# Altium PCB PCB1.PcbDoc (continued)
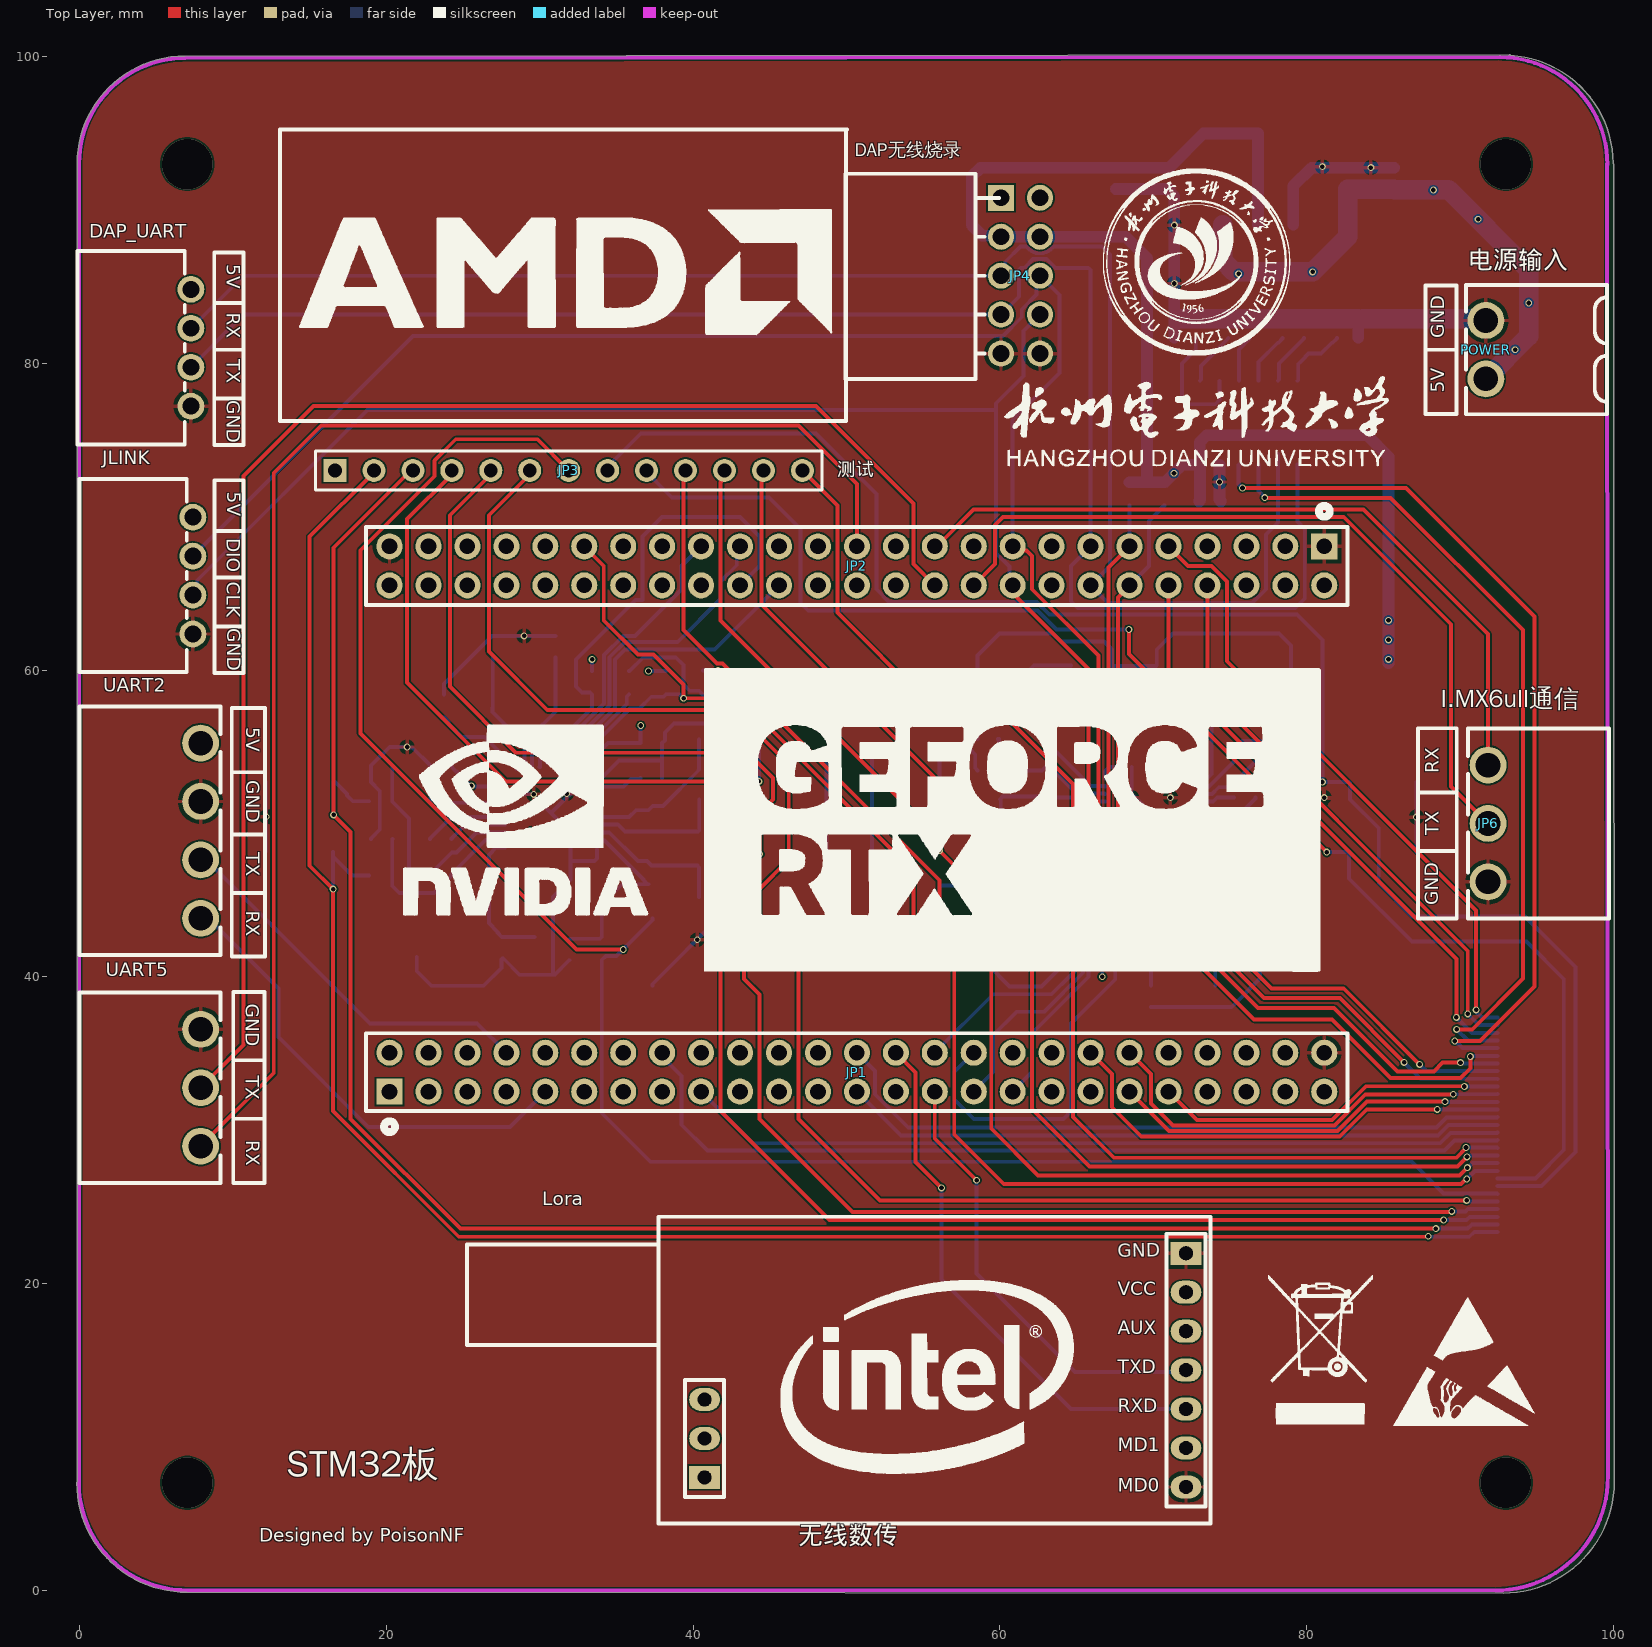
[diagram p0: Top Layer view]
## Footprints (in the part's own frame and the unit in brackets; to place one, negate y for a bottom-side part, rotate by r counter-clockwise, add the part's x,y. Pads: shape width x height; smd on the part's side, far side on the other; paste and mask are expansions set on the pad)
a28_t2g4a27d1a [mm]
  rect 2x1.5 hole 0.9 slot 0.905 at 0 deg: 1(1.6,2.38) 8(33,17)
  oval 2x1.5 hole 0.9 slot 0.905 at 0 deg: 2(1.6,4.92) 3(1.6,7.46) 4(1.6,10) 5(1.6,12.54) 6(1.6,15.08) 7(1.6,17.62) 9(33,14.46) 10(33,11.92)
  silkscreen extent 0,0 48.5,20
C0603 [mm]
  rect 0.8x0.9 smd: 1(-0.7,0) 2(0.7,0)
  silkscreen extent -1.41,-0.71 1.39,0.72
CONN-TH_2P-P3.81_KF2EDGR-3.81-2P [mm]
  round 2.4 hole 1.6: 1(-1.905,0) 2(1.905,0)
  silkscreen extent -4.21,-7.9 4.21,1.3
CONN-TH_3P-P3.81_KF2EDGR-3.81-3P [mm]
  round 2.4 hole 1.6: 1(-3.81,0) 2(0,0) 3(3.81,0)
  silkscreen extent -6.2,-7.9 6.2,1.3
CONN-TH_4P-P3.81_KF2EDGR-3.81-4P [mm]
  round 2.4 hole 1.6: 1(-5.715,0) 2(-1.905,0) 3(1.905,0) 4(5.715,0)
  silkscreen extent -8.1,-7.9 8.1,1.3
CONN-TH_XH-4AW [mm]
  round 1.75 hole 1.1 paste+0 mask+0.05: 1(-3.81,0) 2(-1.27,0) 3(1.27,0) 4(3.81,0)
  silkscreen extent -6.3,-7.4 6.3,-0.4
FPC-SMD_30P-P0.50_XUNPU_FPC-05F-30PH20 [mm]
  rect 0.3x1.25 smd paste+0 mask+0.05: 1(-7.25,1.288) 2(-6.75,1.288) 3(-6.25,1.288) 4(-5.75,1.288) 5(-5.25,1.288) 6(-4.75,1.288) 7(-4.25,1.288) 8(-3.75,1.288) 9(-3.25,1.288) 10(-2.75,1.288) 11(-2.25,1.288) 12(-1.75,1.288) 13(-1.25,1.288) 14(-0.75,1.288) 15(-0.25,1.288) 16(0.25,1.288) 17(0.75,1.288) 18(1.25,1.288) 19(1.75,1.288) 20(2.25,1.288) 21(2.75,1.288) 22(3.25,1.288) 23(3.75,1.288) 24(4.25,1.288) 25(4.75,1.288) 26(5.25,1.288) 27(5.75,1.288) 28(6.25,1.288) 29(6.75,1.288) 30(7.25,1.288)
  rect 2x2.5 smd paste+0 mask+0.05: 31(8.94,-1.288) 32(-8.94,-1.288)
  silkscreen extent -9.7,-4.1 9.7,1.78
HDR1X13 [mm] "Connector; Header; 13 Position"
  rect 1.5x1.5 hole 0.9: 1(0,0)
  round 1.5 hole 0.9: 2(2.54,0) 3(5.08,0) 4(7.62,0) 5(10.16,0) 6(12.7,0) 7(15.24,0) 8(17.78,0) 9(20.32,0) 10(22.86,0) 11(25.4,0) 12(27.94,0) 13(30.48,0)
  silkscreen extent -1.27,-1.27 31.75,1.27
HDR-TH_10P-P2.54-H-F-R2-C5-W8.5 [mm]
  rect 1.7x1.7 hole 1.1 paste+0 mask+0.05: 1(-5.08,-1.27)
  round 1.7 hole 1.1 paste+0 mask+0.05: 2(-5.08,1.27) 3(-2.54,-1.27) 4(-2.54,1.27) 5(0,-1.27) 6(0,1.27) 7(2.54,-1.27) 8(2.54,1.27) 9(5.08,-1.27) 10(5.08,1.27)
  silkscreen extent -6.65,-11.43 6.73,-1.4
HDR-TH_50P-P2.54-V-F-R2-C25-S2.54-1 [mm]
  rect 1.7x1.7 hole 1.02: 1(-30.48,-1.27)
  round 1.7 hole 1.02: 2(-30.48,1.27) 3(-27.94,-1.27) 4(-27.94,1.27) 5(-25.4,-1.27) 6(-25.4,1.27) 7(-22.86,-1.27) 8(-22.86,1.27) 9(-20.32,-1.27) 10(-20.32,1.27) 11(-17.78,-1.27) 12(-17.78,1.27) 13(-15.24,-1.27) 14(-15.24,1.27) 15(-12.7,-1.27) 16(-12.7,1.27) 17(-10.16,-1.27) 18(-10.16,1.27) 19(-7.62,-1.27) 20(-7.62,1.27) 21(-5.08,-1.27) 22(-5.08,1.27) 23(-2.54,-1.27) 24(-2.54,1.27) 25(0,-1.27) 26(0,1.27) 27(2.54,-1.27) 28(2.54,1.27) 29(5.08,-1.27) 30(5.08,1.27) 31(7.62,-1.27) 32(7.62,1.27) 33(10.16,-1.27) 34(10.16,1.27) 35(12.7,-1.27) 36(12.7,1.27) 37(15.24,-1.27) 38(15.24,1.27) 39(17.78,-1.27) 40(17.78,1.27) 41(20.32,-1.27) 42(20.32,1.27) 43(22.86,-1.27) 44(22.86,1.27) 45(25.4,-1.27) 46(25.4,1.27) 47(27.94,-1.27) 48(27.94,1.27) 49(30.48,-1.27) 50(30.48,1.27)
  silkscreen extent -32,-3.91 32,2.54
LED0603-RD_RED [mm]
  rect 0.8x0.8 smd: 1(-0.8,-0.003) 2(0.8,0.003)
  silkscreen extent -1.49,-0.75 1.39,0.76
LFCSP-40_L6.0-W6.0-P0.50-TL-EP4.6 [mm]
  rect 0.8x0.3 smd paste-100 mask+0.051: 1(-3,2.25) 2(-3,1.75) 3(-3,1.25) 4(-3,0.75) 5(-3,0.25) 6(-3,-0.25) 7(-3,-0.75) 8(-3,-1.25) 9(-3,-1.75) 10(-3,-2.25) 21(3,-2.25) 22(3,-1.75) 23(3,-1.25) 24(3,-0.75) 25(3,-0.25) 26(3,0.25) 27(3,0.75) 28(3,1.25) 29(3,1.75) 30(3,2.25)
  rect 0.3x0.8 smd paste-100 mask+0.051: 11(-2.25,-3) 12(-1.75,-3) 13(-1.25,-3) 14(-0.75,-3) 15(-0.25,-3) 16(0.25,-3) 17(0.75,-3) 18(1.25,-3) 19(1.75,-3) 20(2.25,-3) 31(2.25,3) 32(1.75,3) 33(1.25,3) 34(0.75,3) 35(0.25,3) 36(-0.25,3) 37(-0.75,3) 38(-1.25,3) 39(-1.75,3) 40(-2.25,3)
  rect 4.6x4.6 smd paste-100 mask+0.051: 41(0,0)
  silkscreen extent -3.8,-3.23 3.23,3.23
OSC-SMD_L5.0-W3.2 [mm]
  rect 1.9x2.4 smd: 1(-2.05,0) 2(2.05,0)
  silkscreen extent -3.32,-1.85 3.33,1.85
R0603 [mm]
  rect 0.806x0.864 smd paste-100 mask+0.051: 1(-0.753,0) 2(0.753,0)
  silkscreen extent -1.39,-0.66 1.39,0.66
SMA_L4.4-W2.8-LS5.1-BI [mm]
  rect 2x1.8 smd: 1(-2.2,0) 2(2.2,0)
  silkscreen extent -2.3,-1.4 2.3,1.4
SOIC-16_L9.9-W3.9-P1.27-LS6.0-BL [mm]
  oval 0.602x1.971 smd: 1(-4.445,-2.736) 2(-3.175,-2.736) 3(-1.905,-2.736) 4(-0.635,-2.736) 5(0.635,-2.736) 6(1.905,-2.736) 7(3.175,-2.736) 8(4.445,-2.736) 9(4.445,2.736) 10(3.175,2.736) 11(1.905,2.736) 12(0.635,2.736) 13(-0.635,2.736) 14(-1.905,2.736) 15(-3.175,2.736) 16(-4.445,2.736)
  silkscreen extent -5.36,-2.82 5.03,1.52
SOT-223-3_L6.5-W3.4-P2.30-LS7.0-BR-1 [mm]
  rect 2.5x1.1 smd: 1(2.97,-2.3) 2(2.97,0) 3(2.97,2.3)
  rect 2.34x3.6 smd: 2(-2.97,0)
  silkscreen extent -1.57,-3.33 1.37,3.33

## Part data
C1 C2 C3 C4 C5 C6 C7 C8 C9 C10 C11 C12 C13 C14 C15 C16 C17 C18 C19 C20 C21 C22 C23 C24 C25 C26 C27 C28 C29 C30 C31 C32 C33 C34 C35 C36 C37 C38 C39 C40 C41 C42 C43: library part 0603B104K500NT, "0603电容", JLCPCB Part Class="Extended Part", LCSC Part Name="100nF ±10% 50V", Manufacturer=FH(风华), Temperature Coefficient=X7R, Tolerance=±10%, Voltage Rated=50V, Add into BOM=yes, Convert to PCB=yes, Datasheet=https://atta.szlcsc.com/upload/public/pdf/source/20170923/C30926_1506149436298988724.pdf, Device=0603B104K500NT, Manufacturer Part=0603B104K500NT, Name=100nF, Supplier=LCSC, Supplier Footprint=0603, Supplier Part=C30926, Symbol=0603B104K500NT
D1 D2 D3 D4 D5 D6 D7 D8 D9 D10 D11 D12 D13 D14: "SMAJ33CA", Breakdown Voltage=36.7V, JLCPCB Part Class="Extended Part", LCSC Part Name="双向TVS 33V截止 7.5A峰值脉冲", Manufacturer=GOODWORK(固得沃克), Maximum Clamping Voltage=53.3V, Peak Pulse Current (Ipp)@10/1000us=7.5A, Reverse Leakage Current (Ir)=5uA, Reverse Stand-Off Voltage (Vrwm)=33V, Add into BOM=yes, Convert to PCB=yes, Datasheet=https://atta.szlcsc.com/upload/public/pdf/source/20201231/C908757_5436EAF671B686EFC2F0DD2098F0ED89.pdf, Device=SMAJ33CA_C908829, Manufacturer Part=SMAJ33CA, Name=SMAJ33CA, Supplier=LCSC, Supplier Footprint=SMA(DO-214AC), Supplier Part=C908829, Symbol=SMAJ33CA_C908829
DAP_UART JLINK: "XH2.54-4P弯针", Current Rating (Max)=3A, JLCPCB Part Class="Extended Part", LCSC Part Name="1x4P 间距:2.54mm 弯插 系列:XH", Manufacturer=HCTL(华灿天禄), Operating Temperature Range=-25℃~+85℃, Add into BOM=yes, Contact Material=黄铜, Contact Plating=锡, Convert to PCB=yes, Datasheet=https://atta.szlcsc.com/upload/public/pdf/source/20230711/B565BAF3B11666EF6B81B3605408F2BD.pdf, Device=XH-4AW, Manufacturer Part=XH-4AW, Mounting Style=弯插, Name=XH-4AW, Number of Pins=4P, Number of PINs Per Row=4, Number of Rows=1, Pins Structure=1x4P, Pitch=2.54mm, Reference Series=XH, Row Spacing=-, Supplier=LCSC, Supplier Footprint=弯插,P=2.54mm, Supplier Part=C2908613, Symbol=XH-4AW_C2908613
FPC: JLCPCB Part Class="Extended Part", LCSC Part Name="0.5mm P数:30P 翻盖式 下接", Manufacturer=XUNPU(讯普), Operating Temperature Range=-25℃~+85℃, Add into BOM=yes, Contact Type=下接, Convert to PCB=yes, Datasheet=https://atta.szlcsc.com/upload/public/pdf/source/20210922/C2856808_4E6DDE2793CFD9EF09B771A8BD3338A4.pdf, Device=FPC-05F-30PH20, FFC, FCB Thickness=0.3mm, Height Above Board=2mm, Locking Feature=翻盖式, Manufacturer Part=FPC-05F-30PH20, Mounting Type=卧贴, Name=FPC-05F-30PH20, Number of Contacts=30P, Pitch=0.5mm, Supplier=LCSC, Supplier Footprint=SMD,P=0.5mm, Supplier Part=C2856808, Symbol=FPC-05F-30PH20
JP1 JP2: JLCPCB Part Class="Extended Part", LCSC Part Name="2.54mm 2x25P Y型//环保耐高温/镀金", Manufacturer=华宇创, Add into BOM=yes, Contact Material=黄铜, Contact Plating=-, Convert to PCB=yes, Datasheet=https://atta.szlcsc.com/upload/public/pdf/source/20181220/C350296_D2530F60C4B7AD26B2D0A354C76F8429.pdf, Device=2685Y-225CNG1SNA01, Holes Structure=2x25P, Insulation Height=-, Manufacturer Part=2685Y-225CNG1SNA01, Mounting Type=直插, Name=2685Y-225CNG1SNA01, Number of Holes=50P, Number of Rows=双排, Pitch=2.54mm, Row Spacing=2.54mm, Supplier=LCSC, Supplier Footprint=插件,P=2.54mm, Supplier Part=C350296, Symbol=2685Y-225CNG1SNA01
JP3: "Header, 13-Pin", LatestRevisionDate=17-Jul-2002, LatestRevisionNote="Re-released for DXP Platform.", Publisher="Altium Limited"
JP4: "正点原子DAP小接收端", Current Rating (Max)=3A, JLCPCB Part Class="Extended Part", LCSC Part Name="间距:2.54mm 2x5P 弯插", Manufacturer=HCTL(华灿天禄), Operating Temperature Range=-40℃~+105℃, Voltage Rating (Max)=-, Add into BOM=yes, Circular Hole / Square Hole=方孔, Convert to PCB=yes, Datasheet=https://atta.szlcsc.com/upload/public/pdf/source/20230609/283C0D22EF4E6FFE03D5A855876981ED.pdf, Device=PM254-2-05-W-8.5, Holes Direction=侧面, Holes Structure=2x5P, Insulation Height=8.5mm, Manufacturer Part=PM254-2-05-W-8.5, Mounting Type=弯插, Name=PM254-2-05-W-8.5, Number of Holes=10P, Number of Rows=双排, Pitch=2.54mm, Row Spacing=2.54mm, Supplier=LCSC, Supplier Footprint=弯插,P=2.54mm, Supplier Part=C2897425, Symbol=PM254-2-05-W-8.5
JP6 UART5: Color=绿色, Current Rating (Max)=8A, JLCPCB Part Class="Extended Part", LCSC Part Name="板端/插座-闭口 3.81mm 排数:1 每排P数:3 弯针", Manufacturer=KEFA(科发), Operating Temperature Range=-40℃~+105℃, Voltage Rating (Max)=300V, Add into BOM=yes, Connector Type=板端/插座-闭口, Convert to PCB=yes, Datasheet=https://atta.szlcsc.com/upload/public/pdf/source/20191023/C441183_0DEFA45C98AD039C055774507C9A3105.pdf, Device=KF2EDGR-3.81-3P, Manufacturer Part=KF2EDGR-3.81-3P, Mounting Style=弯针, Name=KF2EDGR-3.81-3P, Number of PINs Per Row=3, Number of Rows=1, Pitch=3.81mm, Supplier=LCSC, Supplier Footprint=P=3.81mm, Supplier Part=C441183, Symbol=KF2EDGR-3.81-3P, Wire Gauge - AWG=-, Wire Gauge - mm?=-
LED1 LED2: "LED", Emitted Color=红灯, JLCPCB Part Class="Extended Part", Manufacturer=国星光电, Manufacturer Part=NCD0603R1, Add into BOM=yes, Convert to PCB=yes, Datasheet=https://atta.szlcsc.com/upload/public/pdf/source/20200820/C84263_DABC6A75E58F576973B407FDBA283D60.pdf, Device=NCD0603R1_C84263, LCSC Part Name=红灯, Name=NCD0603R1, Supplier=LCSC, Supplier Footprint=0603, Supplier Part=C84263, Symbol=FC-DA1608HRK-620D
Lora: "Lora模块"
POWER: Color=绿色, Current Rating (Max)=8A, JLCPCB Part Class="Extended Part", LCSC Part Name="板端/插座-闭口 1x2P 3.81mm 排数:1 每排P数:2 弯针", Manufacturer=KEFA(科发), Operating Temperature Range=-40℃~+105℃, Voltage Rating (Max)=300V, Add into BOM=yes, Connector Type=板端/插座-闭口, Convert to PCB=yes, Datasheet=https://atta.szlcsc.com/upload/public/pdf/source/20230331/6258E6C6BF04EFF922F3E5A9E72A4547.pdf, Device=KF2EDGR-3.81-2P, Manufacturer Part=KF2EDGR-3.81-2P, Mounting Style=弯针, Name=KF2EDGR-3.81-2P, Number of PINs Per Row=2, Number of Rows=1, Pitch=3.81mm, Structure=1x2P, Supplier=LCSC, Supplier Footprint=弯插,P=3.81mm, Supplier Part=C441182, Symbol=KF2EDGR-3.81-2P
R1 R2 R3 R4 R5 R6 R7 R8 R9 R10 R11 R12 R13 R14 R15 R16 R17 R18 R19 R20 R21 R22 R23 R24 R25 R26: library part 0603WAF1002T5E, "0603电阻", JLCPCB Part Class="Basic Part", LCSC Part Name="厚膜电阻 10kΩ ±1% 100mW", Manufacturer=UNI-ROYAL(厚声), Operating Temperature Range=-55℃~+155℃, Overload Voltage (Max)=75V, Power(Watts)=100mW, Temperature Coefficient=±100ppm/℃, Tolerance=±1%, Add into BOM=yes, Convert to PCB=yes, Datasheet=https://atta.szlcsc.com/upload/public/pdf/source/20200306/C422600_1E6D84923E4A46A82E41ADD87F860B5C.pdf, Device=0603WAF1002T5E, Manufacturer Part=0603WAF1002T5E, Name=10kΩ, Supplier=LCSC, Supplier Footprint=0603, Supplier Part=C25804, Symbol=0603WAF1002T5E, Type=厚膜电阻
U1: library part AMS1117-3.3, Manufacturer=IDCHIP(英锐芯), Add into BOM=yes, Convert to PCB=yes, Datasheet=https://atta.szlcsc.com/upload/public/pdf/source/20230625/435FEEFA02C0FE449E7397A11F8448E0.pdf, Device=A1117-3.3, LCSC Part Name=AMS1117-3.3, link=https://atta.szlcsc.com/upload/public/pdf/source/20230625/435FEEFA02C0FE449E7397A11F8448E0.pdf, Manufacturer Part=A1117-3.3, Name=A1117-3.3, Supplier=LCSC, Supplier Footprint=SOT-223, Supplier Part=C7432020, Symbol=A1117-3.3
U2: JLCPCB Part Class="Extended Part", Manufacturer=TI(德州仪器), Supply Voltage=3V~5.5V, Add into BOM=yes, Convert to PCB=yes, Data Rate=250Kbps, Datasheet=https://atta.szlcsc.com/upload/public/pdf/source/20130907/1457706645949.pdf, Device=MAX3232IDR, Driver/receiver=2/2, LCSC Part Name=MAX3232IDR, Manufacturer Part=MAX3232IDR, Name=MAX3232IDR, Supplier=LCSC, Supplier Footprint=SOIC-16, Supplier Part=C18261, Symbol=MAX3232IDR, Types=收发器
U3 U4: JLCPCB Part Class="Extended Part", Manufacturer=ADI(亚德诺), Operating Temperature=-40℃~+105℃, sampling frequency=6.2kHz, Supply Voltage=2V~5.5V, Add into BOM=yes, Convert to PCB=yes, Datasheet=https://atta.szlcsc.com/upload/public/pdf/source/20220519/010EE3C44EFBAA26D33F75A00EF652F8.pdf, Device=AD4111BCPZ, differential input=是, Interface=串行；SPI, LCSC Part Name=AD4111BCPZ, Manufacturer Part=AD4111BCPZ, Name=AD4111BCPZ, number of channels=4；8, resolution=24位, Supplier=LCSC, Supplier Footprint=LFCSP-40, Supplier Part=C649166, Symbol=AD4111BCPZ
UART2: Color=绿色, Current Rating (Max)=8A, JLCPCB Part Class="Extended Part", LCSC Part Name="板端/插座-闭口 3.81mm 排数:1 每排P数:4 弯针", Manufacturer=KEFA(科发), Operating Temperature Range=-40℃~+105℃, Voltage Rating (Max)=300V, Add into BOM=yes, Connector Type=板端/插座-闭口, Convert to PCB=yes, Datasheet=https://atta.szlcsc.com/upload/public/pdf/source/20191023/C441184_550E53BE0568649FEADF643ADAFA40B9.pdf, Device=KF2EDGR-3.81-4P, Manufacturer Part=KF2EDGR-3.81-4P, Mounting Style=弯针, Name=KF2EDGR-3.81-4P, Number of PINs Per Row=4, Number of Rows=1, Pitch=3.81mm, Supplier=LCSC, Supplier Footprint=P=3.81mm, Supplier Part=C441184, Symbol=KF2EDGR-3.81-4P, Wire Gauge - AWG=-, Wire Gauge - mm?=-
X1 X2: library part X5032110592MSB2GI, "11.0592MHZ晶振", Frequency Stability=±50ppm, Frequency Tolerance=±10ppm, JLCPCB Part Class="Basic Part", LCSC Part Name="11.0592MHz ±10ppm 20pF YSX530GA", Load Capacitance=20pF, Manufacturer=YXC(扬兴晶振), Operating Temperature=-40℃~+85℃, Add into BOM=yes, Convert to PCB=yes, Crystal Type=贴片无源晶振, Datasheet=https://atta.szlcsc.com/upload/public/pdf/source/20210329/C112559_847D3CACBA33ACCEB57DEA3AEBB187A1.pdf, Device=X5032110592MSB2GI, Manufacturer Part=X5032110592MSB2GI, Name=11.0592MHz, Supplier=LCSC, Supplier Footprint=SMD5032-2P, Supplier Part=C112574, Symbol=X5032110592MSB2GI

## Via types
v1: diameter 0.45, hole 0.3, Top Layer to Bottom Layer, 83 vias
v2: diameter 3.3, hole 3.3, Top Layer to Bottom Layer, 4 vias

## Nets (pads, with @x,y where several pads share a name; then routed paths per layer and width w, separated by ;. In a path a pad name is that pad's centre, name@x,y a point inside that pad or via, vN(x,y) a via of type N, cw(c..) or ccw(c..) an arc to the next point about the centre after c; other vN are vias at no path point)
3.3V: C3.2 C4.2 C9.2 C10.2 C11.2 C27.2 C28.2 JP4.3 JP4.4 LED1.2 LED2.2 R1.1 R2.1 R4.2 R5.2 R16.2 R17.2 U1.2 U2.16 U3.9 U3.20 U4.9 U4.20 | length 117.5
  Bottom Layer w0.254: C27.2 24.257,53.671 24.53,53.398 24.58,53.398 25.034,52.944 25.555,52.423 U4.9 ; U4.20@32.984,53.546 32.984,53.796 34.433,55.245 C28.2 36.573,56.385 v1(36.576,56.388) ; R17.2 v1(33.401,60.706) ; v1(37.084,59.944) 38.218,59.944 R16.2 ; LED2.2 v1(41.618,59.982) v1@41.656,59.944 ; v1(58.293,42.423) LED1.2 60.842,40.767 R4.2 ; C11.2@64.073,46.178 C11.2 66.405,46.228 67.6,47.423 U3.20 ; v1(66.675,40.005) R5.2 ; U3.9 72.873,48.9 73.244,48.9 74.973,47.171 74.973,47.009 C10.2 75.246,45.726 v1(75.257,45.714)
  Bottom Layer w0.762: R1.1 69.596,72.254 ; C9.2 73.002,71.05 73.049,71.097 U2.16 ; U1.2@76.835,89.056 76.835,94.996 73.259,94.996 71.038,92.775 C4.2 C3.2 58.739,92.775 58.166,92.202 58.166,89.027 58.852,88.341 59.995,88.341 JP4.3 JP4.4 68.199,88.265 69.596,86.868 69.596,72.254 ; 85.344,60.452 85.344,73.914 83.947,75.311 73.471,75.311 73.025,74.865 73.025,73.43 U2.16 ; 69.596,72.254 R2.1 70.768,72.254 v1(71.352,72.838) 71.352,72.867 71.891,73.406 U2.16
  other v1: 65.239,46.228 25.527,52.451 85.344,60.706 85.344,61.976 85.344,63.246
5V: C1.1 C2.1 DAP_UART.1 JLINK.1 JP2.50 JP4.1 Lora.2 Lora.6 POWER.1 U1.3 UART2.1 | length 37
  Bottom Layer w1.27: U1.3 74.535,86.723 75.279,85.979 v1(80.391,85.979) 82.672,88.26 C1.1 ; C1.1@82.69,91.356 C2.1@85.701,91.356 ; C2.1@85.757,91.338 89.256,91.338 94.488,86.106 94.488,81.788 POWER.1
  other v1: 93.599,80.899 94.488,83.947 75.565,85.852 91.186,89.408 88.265,91.313
232RX: FPC.4 U2.13 | length 54.1
  Top Layer w0.254: v1@77.282,71.236 85.482,71.236 94.107,62.611 94.107,39.878 90.805,36.576 v1(89.789,36.576)
  Bottom Layer w0.254: U2.13 76.859,71.692 77.271,71.279 v1(77.271,71.247) ; v1(89.789,36.576) 90.516,35.849 FPC.4
232TX: FPC.5 U2.14 | length 57.9
  Top Layer w0.254: v1(75.819,71.882) 86.487,71.882 94.869,63.5 94.869,39.37 91.313,35.814 v1(89.662,35.814)
  Bottom Layer w0.254: U2.14 75.565,73.382 75.565,72.136 v1(75.819,71.882) ; v1(89.662,35.814) 89.715,35.814 90.18,35.349 FPC.5
AGND: D1.1 D8.1 FPC.30 JP3.1 R7.1 R8.1 R19.1 R20.1
BOOT0: JP2.36
GND: C1.2 C2.2 C3.1 C4.1 C7.1 C8.1 C9.1 C10.1 C11.1 C12.1 C13.1 C14.1 C15.1 C16.1 C21.1 C22.1 C23.1 C24.1 C25.1 C26.1 C27.1 C28.1 C29.1 C30.1 C31.1 C32.1 C33.1 C38.1 C39.1 C40.1 C41.1 C42.1 C43.1 D1.2 D2.2 D3.2 D4.2 D5.2 D6.2 D7.2 D8.2 D9.2 D10.2 D11.2 D12.2 D13.2 D14.2 DAP_UART.4 JLINK.4 JP1.50 JP2.1 JP2.49 JP4.9 JP4.10 JP6.1 Lora.1 Lora.7 POWER.2 R6.1 R8.2 R18.1 R20.2 U1.1 U2.15 U3.8 U3.21 U3.30 U3.31 U3.32 U3.33 U3.41 U4.8 U4.21 U4.30 U4.31 U4.32 U4.33 U4.41 UART2.2 UART5.1 | length 241.8
  Bottom Layer w0.254: D9.2 12.151,48.174 v1(12.151,50.439) D10.2 ; C38.1 18.985,49.03 19.558,49.603 19.558,52.13 18.985,52.703 C39.1 18.985,53.771 20.205,54.991 v1(21.336,54.991) 21.374,54.953 21.674,54.953 22.857,53.771 C27.1 C31.1 ; R20.2 21.971,40.386 22.942,39.415 D8.2 26.334,39.415 27.497,40.578 27.497,41.148 C33.1 27.609,41.21 28.687,40.132 30.943,40.132 ; R18.1 23.749,59.108 26.874,62.233 C29.1 v1(28.967,62.233) C30.1 ; U4.8 29.484,51.923 U4.41 ; C41.1 31.894,41.083 30.943,40.132 ; U4.30@33.734,48.296 33.734,47.704 33.576,47.546 U4.33@31.984,47.546 ; D12.2 37.338,39.515 41.783,43.96 C40.1 ; C32.1 37.973,54.102 ; C43.1 v1(42.794,49.525) v1@42.799,49.53 ; C42.1 41.51,55.767 41.51,56.026 41.021,56.515 38.735,56.515 38.147,55.927 38.147,55.419 C28.1 37.973,54.102 ; D11.2 D14.2 ; D13.2 D14.2 ; D6.2 D7.2 ; D4.2 D7.2 ; C26.1 58.547,49.48 59.309,48.718 59.309,46.024 58.547,45.262 C25.1 58.547,45.162 59.386,44.323 60.818,44.323 62.673,46.178 C11.1 62.673,47.307 ; C23.1 v1(58.547,56.769) 58.547,60.96 59.985,62.398 D5.2 63.442,62.398 63.971,61.869 66.782,61.869 67.31,61.341 C24.1 C16.1 70.231,60.327 70.231,61.341 71.288,62.398 D1.2 78.191,62.398 78.994,61.595 R8.2 ; C15.1 62.673,47.307 ; U3.21 66.6,48.423 65.484,47.307 62.673,47.307 ; U3.30 66.85,53.388 67.135,53.673 U3.31 U3.32 68.1,52.423 U3.41@68.6,51.923 ; v1(68.58,51.689) U3.41@68.834,51.689 ; U3.33 U3.41@68.6,51.923 ; C13.1 C12.1 75.119,38.035 76.962,39.878 R6.1 78.749,42.3 78.994,42.545 78.994,45.245 78.9,45.339 ; C14.1 76.646,48.003 ; C22.1 80.202,45.785 79.756,45.339 78.9,45.339 ; C21.1 v1(81.153,51.689) ; D3.2 v1(87.163,50.419) D2.2 ; U4.41 31.984,49.423 U4.33@31.984,47.546 ; U4.41 32.907,52.846 33.407,52.846 33.484,52.923 U4.21 33.984,52.923 35.163,54.102 37.973,54.102 ; 30.943,40.132 30.861,40.214 30.861,45.212 31.984,46.335 U4.33@31.984,47.546 ; D14.2 v1(50.133,50.419) 51.585,50.419 D7.2 ; U3.41@68.6,51.923 U3.41@68.834,51.689 ; U3.41@68.834,51.689 U3.41 69.985,50.673 v1(71.139,49.52) 71.235,49.423 U3.8 73.513,49.423 74.933,48.003 76.646,48.003 ; 76.646,48.003 C10.1 76.646,46.686 76.919,46.413 76.969,46.413 78.043,45.339 78.9,45.339
  Bottom Layer w0.762: C3.1 71.038,91.375 71.057,91.356 71.057,91.222 71.369,90.91 71.369,83.312 71.75,82.931 ; C7.1 71.369,82.931 ; U2.15 74.319,71.133 74.402,71.05 C9.1 ; U1.1 79.135,91.581 80.329,92.775 C1.2 C2.2 ; C8.1 83.376,81.679 83.376,82.614 ; 83.372,82.931 83.693,82.931 ; POWER.2@91.567,82.931 POWER.2
  Bottom Layer w1.27: 71.75,82.931 83.372,82.931 ; 83.693,82.931 POWER.2@91.567,82.931
  other v1: 40.259,42.418 61.468,44.958 29.591,49.403 31.75,49.403 68.631,49.51 71.12,51.689 29.595,51.901 31.75,51.943 74.319,72.27 71.374,85.217 71.374,89.027 84.196,92.775 81.026,92.837
NetC5_1: C5.1 U2.3 | length 3.1
  Bottom Layer w0.254: U2.3 75.589,80.921 76.293,81.625 C5.1
NetC5_2: C5.2 U2.1 | length 3.6
  Bottom Layer w0.254: U2.1 73.115,78.944 73.115,79.848 74.893,81.625 C5.2
NetC6_1: C6.1 U2.5 | length 3.5
  Bottom Layer w0.254: U2.5 78.195,78.944 78.195,79.989 79.832,81.625 C6.1
NetC6_2: C6.2 U2.4 | length 3.5
  Bottom Layer w0.254: U2.4 76.859,80.091 78.12,81.352 78.159,81.352 78.432,81.625 C6.2
NetC7_2: C7.2 U2.2 | length 8.3
  Bottom Layer w0.254: C7.2 72.769,80.897 71.882,80.01 71.882,77.724 72.263,77.343 74.041,77.343 74.319,77.621 U2.2
NetC8_2: C8.2 U2.6 | length 4.4
  Bottom Layer w0.254: U2.6 79.454,78.933 79.454,79.962 79.664,80.172 80.137,80.645 80.941,80.645 81.649,81.352 81.699,81.352 81.972,81.625 C8.2
NetC12_2: C12.2 U3.12 X1.1 | length 9.2
  Bottom Layer w0.254: U3.12 71.6,45.508 73.932,43.176 X1.1 74.041,42.817 C12.2
NetC13_2: C13.2 U3.13 X1.2 | length 8.8
  Bottom Layer w0.254: C13.2 69.85,42.944 70.012,43.106 70.012,44.358 71.1,45.446 U3.13
NetC14_2: C14.2 U3.7 | length 2.7
  Bottom Layer w0.254: U3.7 73.71,49.923 74.363,49.271 C14.2
NetC15_2: C15.2 U3.22 | length 3
  Bottom Layer w0.254: C15.2 65.205,48.387 65.741,48.923 U3.22
NetC16_2: C16.2 R7.2 U3.1 | length 9.6
  Bottom Layer w0.254: C16.2 70.185,58.881 R7.2 72.546,58.881 73.787,57.64 73.787,53.213 73.497,52.923 U3.1
NetC17_1: C17.1 C21.2 R9.2 U3.2 | length 10.6
  Bottom Layer w0.254: U3.2 73.633,52.423 C17.1@75.286,54.077 ; C17.1 75.261,54.814 75.819,55.372 77.55,55.372 78.515,54.407 78.544,54.407 78.82,54.131 R9.2 78.802,54.084 C21.2
NetC17_2: C17.2 C22.2 R10.2 U3.3 | length 13
  Bottom Layer w0.254: U3.3 73.828,51.923 74.271,52.366 74.976,52.366 C17.2@76.662,54.052 ; C17.2 C17.2@76.662,54.052 ; C22.2 78.802,49.131 R10.2 78.82,49.178 77.724,50.274 77.724,52.99 C17.2@76.662,54.052
NetC18_1: C18.1 U3.4 | length 2.5
  Bottom Layer w0.254: U3.4 73.911,51.423 74.177,51.689 C18.1
NetC18_2: C18.2 U3.5 | length 4.2
  Bottom Layer w0.254: U3.5 75.945,50.923 76.662,51.639 C18.2
NetC19_1: C19.1 C25.2 R13.2 U3.26 | length 11.2
  Bottom Layer w0.254: C25.2@59.864,45.23 C25.2@59.882,45.212 ; C25.2 59.947,47.143 R13.2 60.056,47.281 61.468,48.693 61.468,50.038 61.784,50.354 C19.1 64.737,50.354 65.305,50.923 U3.26
NetC19_2: C19.2 C26.2 R14.2 U3.27 | length 9.2
  Bottom Layer w0.254: C26.2 60.056,49.639 R14.2 ; R14.2@59.991,51.579 60.166,51.754 C19.2 63.184,51.689 65.34,51.689 65.606,51.423 U3.27
NetC20_1: C20.1 C23.2 R11.2 U3.28 | length 9.8
  Bottom Layer w0.254: C23.2@59.864,55.481 C23.2@59.882,55.499 ; C23.2 59.947,53.576 R11.2 62.753,53.467 63.069,53.783 C20.1 63.169,53.783 64.86,52.092 65.891,52.092 66.037,51.946 66.827,51.946 U3.28
NetC20_2: C20.2 C24.2 R12.2 U3.29 | length 11.8
  Bottom Layer w0.254: U3.29 66.827,52.446 65.906,52.446 63.169,55.183 C20.2 63.119,56.007 64.643,57.531 R12.2 67.257,58.81 C24.2 C24.2@67.328,58.881
NetC29_2: C29.2 U4.12 X2.1 | length 8.2
  Bottom Layer w0.254: C29.2 26.924,57.549 26.906,57.531 26.906,57.281 28.984,55.203 U4.12@28.984,53.546
NetC30_2: C30.2 U4.13 X2.2 | length 7.9
  Bottom Layer w0.254: U4.13@29.484,53.546 29.484,55.759 31.011,57.286 C30.2
NetC31_2: C31.2 U4.7 | length 3.5
  Bottom Layer w0.254: C31.2 27.411,51.35 27.484,51.423 U4.7
NetC32_2: C32.2 U4.22 | length 3.1
  Bottom Layer w0.254: U4.22 35.464,52.423 35.941,52.9 36.514,52.9 C32.2
NetC33_2: C33.2 R19.2 U4.1 | length 9.1
  Bottom Layer w0.254: U4.1 27.142,48.423 26.67,47.951 26.67,43.499 27.236,42.933 27.236,42.883 27.509,42.61 C33.2 27.577,42.592 R19.2
NetC34_1: C34.1 C38.2 R21.2 U4.2 | length 12.1
  Bottom Layer w0.254: C38.2 20.367,48.962 R21.2 20.367,45.927 20.828,45.466 23.102,45.466 24.195,46.559 C34.1 24.195,46.659 26.459,48.923 U4.2
NetC34_2: C34.2 C39.2 R22.2 U4.3 | length 14.8
  Bottom Layer w0.254: C39.2 20.367,53.703 R22.2 20.367,51.422 21.463,50.326 21.463,46.977 21.831,46.609 C34.2 ; C34.2@22.795,46.659 24.25,48.114 24.552,48.114 25.861,49.423 U4.3
NetC35_1: C35.1 U4.4 | length 3.9
  Bottom Layer w0.254: C35.1 24.242,49.024 25.14,49.923 U4.4
NetC35_2: C35.2 U4.5 | length 5.5
  Bottom Layer w0.254: C35.2 22.841,49.024 24.24,50.423 U4.5
NetC36_1: C36.1 C42.2 R25.2 U4.26 | length 9.9
  Bottom Layer w0.254: U4.26 35.818,50.423 36.26,50.865 C36.1 37.357,51.138 38.029,51.138 40.33,53.438 R25.2 40.383,53.52 C42.2
NetC36_2: C36.2 C43.2 R26.2 U4.27 | length 8.9
  Bottom Layer w0.254: U4.27 35.08,49.923 35.538,49.465 C36.2 40.323,49.465 C43.2 40.395,49.536 R26.2
NetC37_1: C37.1 C40.2 R23.2 U4.28 | length 9.5
  Bottom Layer w0.254: U4.28 34.524,49.423 36.402,47.545 36.975,47.545 37.267,47.253 R23.2 40.383,47.143 C40.2
NetC37_2: C37.2 C41.2 R24.2 U4.29 | length 12.4
  Bottom Layer w0.254: C41.2 33.927,42.483 R24.2 34.036,44.704 35.368,46.036 C37.2@37.034,46.036 ; U4.29 33.757,48.9 34.22,48.9 36.761,46.359 36.761,46.309 C37.2@37.034,46.036 ; C37.2 C37.2@37.034,46.036
NetLED1_1: LED1.1 R3.2 | length 6.2
  Bottom Layer w0.254: LED1.1 60.633,39.37 62.724,39.37 64.121,40.767 R3.2
NetLED2_1: LED2.1 R15.2 | length 7
  Bottom Layer w0.254: R15.2 35.843,59.935 36.74,60.833 38.862,60.833 39.37,60.325 39.37,59.055 39.77,58.655 40.364,58.655 LED2.1
NetR3_1: R3.1 U3.18 | length 7.3
  Bottom Layer w0.254: R3.1 64.171,42.274 64.448,42.55 64.448,42.841 68.6,46.994 U3.18
NetR6_2: R6.2 U3.11 | length 6.6
  Bottom Layer w0.254: U3.11 72.123,47.65 72.123,47.354 75.671,43.806 R6.2
NetR15_1: R15.1 U4.18 | length 6.3
  Bottom Layer w0.254: U4.18 32.007,53.696 32.007,54.138 35.662,57.793 35.662,58.277 R15.1
NetR18_2: R18.2 U4.11 | length 6.5
  Bottom Layer w0.254: R18.2@23.615,56.903 23.779,56.903 24.054,56.628 24.054,56.464 24.883,55.635 26.395,55.635 28.211,53.819 28.461,53.819 28.484,53.796 U4.11@28.484,53.546
NetU3_23: U3.23
NetU3_24: U3.24
NetU4_23: U4.23
NetU4_24: U4.24
NRST: JP1.1
PA0: JP1.6
PA1: JP1.7
PA2: JP1.8 UART2.3 | length 25.1
  Bottom Layer w0.254: UART2.3 8.255,47.625 18.923,36.957 25.908,36.957 JP1.8
PA3: JP1.9 UART2.4 | length 30.9
  Bottom Layer w0.254: UART2.4@8.032,44.165 12.954,39.243 12.954,36.068 18.806,30.216 28.057,30.216 JP1.9
PA4: JP1.10
PA5: JP1.11
PA6: JP1.12
PA7: JP1.13
PA8: FPC.8 JP2.12 R2.2 | length 53.9
  Top Layer w0.254: JP2.12 68.453,65.485 67.711,64.743 67.711,49.256 77.724,39.243 82.423,39.243 v1(87.376,34.29)
  Bottom Layer w0.254: JP2.12 69.723,66.802 69.723,69.732 70.434,70.443 70.434,70.471 70.71,70.748 R2.2 ; v1(87.376,34.29) 87.817,33.849 FPC.8
PA9: DAP_UART.3 JP2.13 JP4.7 U2.11 | length 109.7
  Bottom Layer w0.254: DAP_UART.3 10.668,83.185 JP4.7 61.236,84.35 61.236,86.084 61.311,86.159 61.385,86.233 61.596,86.233 62.165,86.802 63.057,86.802 63.626,86.233 65.764,86.233 65.839,86.159 65.913,86.084 JP2.13 64.643,66.802 64.643,64.494 65.102,64.035 79.253,64.035 79.883,64.665 79.883,69.215 79.399,69.699 U2.11
PA10: DAP_UART.2 JP2.14 JP4.5 U2.12 | length 106.5
  Bottom Layer w0.254: DAP_UART.2 10.668,85.725 JP4.5 60.348,86.002 60.348,86.637 61.341,87.63 61.726,87.63 61.8,87.556 ; 61.8,87.555 61.805,87.55 ccw(c62.611,88.265) 63.417,87.55 63.422,87.556 ; 63.422,87.556 63.496,87.63 66.675,87.63 66.749,87.556 67.183,87.122 67.183,66.802 JP2.14 67.056,64.389 76.453,64.389 77.343,65.279 77.343,68.834 78.129,69.62 U2.12@78.129,74.09
PA11: JP2.15
PA12: JP2.16
PA13: FPC.7 JLINK.2 JP2.17 JP4.6 | length 137.8
  Top Layer w0.254: JP2.17 61.11,67.795 61.745,67.795 62.103,67.437 62.103,65.278 66.421,60.96 66.421,48.387 76.835,37.973 81.788,37.973 85.923,33.838 88.302,33.838 88.871,34.407 v1(90.038,34.407)
  Bottom Layer w0.254: JLINK.2 21.717,81.788 60.197,81.788 61.426,83.017 61.426,83.523 62.397,84.494 62.397,85.511 JP4.6 63.881,84.455 63.881,79.375 60.833,76.327 JP2.17 ; v1(90.038,34.407) 90.075,34.369 90.214,34.369 90.234,34.349 FPC.7
PA14: FPC.6 JLINK.3 JP2.18 JP4.8 | length 130.4
  Top Layer w0.254: JP2.18 60.833,65.024 65.786,60.071 65.786,48.006 76.581,37.211 81.661,37.211 85.471,33.401 90.043,33.401 90.678,34.036 v1(90.678,34.801)
  Bottom Layer w0.254: JLINK.3 7.652,65.183 7.652,65.861 18.753,76.962 59.756,76.962 ; JP2.18 60.619,65.746 60.619,66.763 59.756,67.626 59.756,76.962 ; JP4.8 61.534,82.108 61.534,79.187 59.756,77.409 59.756,76.962 ; v1(90.678,34.801) 90.703,34.826 92.415,34.826 FPC.6
PA15: JP2.19
PB0: FPC.17 JP1.16 | length 59.4
  Bottom Layer w0.254: JP1.16 37.973,34.798 39.243,33.528 39.243,30.353 40.922,28.674 88.999,28.674 89.651,29.326 92.415,29.326 FPC.17
PB1: FPC.16 JP1.17 | length 53.6
  Bottom Layer w0.254: JP1.17 43.879,29.146 88.709,29.146 89.389,29.826 92.415,29.826 FPC.16
PB2: JP1.18
PB3: JP2.31 U4.16 | length 21.4
  Bottom Layer w0.254: U4.16 31.007,53.696 31.007,54.149 34.544,57.686 34.544,60.84 35.553,61.849 38.989,61.849 41.772,64.632 41.772,65.774 42.839,66.841 42.839,67.858 JP2.31
PB4: JP2.32 R17.1 U4.14 | length 31.7
  Bottom Layer w0.254: U4.14 30.007,53.696 30.007,54.16 30.838,54.991 30.848,54.991 33.401,57.544 R17.1 33.284,58.545 32.737,58.545 32.354,58.928 32.354,60.706 36.226,64.578 36.703,64.578 36.703,68.707 37.973,69.977 43.053,69.977 44.323,68.707 44.323,66.802 JP2.32
PB5: JP2.33 U4.15 | length 18.7
  Bottom Layer w0.254: U4.15@30.507,53.946 30.507,54.15 34.19,57.833 34.19,60.987 35.433,62.23 36.194,62.23 39.232,65.268 39.232,66.791 JP2.33
PB6: JP2.34
PB7: JP2.35
PB8: JP2.37
PB9: JP2.38
PB10: JP1.28 Lora.5 | length 35.5
  Top Layer w0.254: JP1.28 54.494,33.771 54.494,27.929 v1(56.19,26.233)
  Bottom Layer w0.254: v1(56.19,26.233) 56.19,20.264 64.643,11.811 Lora.5
PB11: JP1.29 Lora.4 | length 29.4
  Top Layer w0.254: JP1.29 55.753,29.46 v1(58.477,26.736)
  Bottom Layer w0.254: v1(58.477,26.736) 58.477,20.644 64.897,14.224 72.009,14.224 Lora.4
PB12: JP1.30 U3.17 | length 20.4
  Bottom Layer w0.254: JP1.30 59.563,38.862 63.373,38.862 64.564,40.053 64.591,40.053 65.078,40.539 65.078,42.834 69.1,46.856 U3.17
PB13: JP1.31 U3.16 | length 20.9
  Bottom Layer w0.254: JP1.31 59.563,33.782 59.563,36.195 61.087,37.719 62.865,37.719 65.432,40.286 65.432,42.688 69.6,46.856 U3.16
PB14: JP1.32 R5.1 U3.14 | length 31.6
  Bottom Layer w0.254: JP1.32 57.023,33.782 57.023,32.004 58.293,30.734 64.135,30.734 64.643,31.242 64.643,36.957 67.52,39.834 67.52,41.573 67.096,41.997 66.951,41.997 R5.1 ; R5.1@66.704,42.274 66.98,42.55 66.98,42.579 70.6,46.199 U3.14
PB15: JP1.33 U3.15 | length 19
  Bottom Layer w0.254: JP1.33 62.103,33.782 62.103,36.322 65.786,40.005 65.786,42.541 70.1,46.855 U3.15
PC0: JP1.2
PC1: JP1.3
PC2: JP1.4
PC3: JP1.5
PC4: JP1.14
PC5: JP1.15
PC6: FPC.2 JP2.8 | length 37.2
  Top Layer w0.254: JP2.8 73.533,58.67 90.509,41.694 v1(90.509,37.582)
  Bottom Layer w0.254: v1(90.509,37.582) 91.242,36.849 FPC.2
PC7: FPC.1 JP2.9 | length 41.1
  Top Layer w0.254: JP2.9 72.275,66.79 73.798,66.79 74.803,65.785 74.803,60.579 91.059,44.323 v1(91.059,37.846)
  Bottom Layer w0.254: v1(91.059,37.846) 91.059,37.719 91.429,37.349 FPC.1
PC8: FPC.3 JP2.10 | length 39
  Top Layer w0.254: JP2.10 70.993,59.944 89.77,41.167 v1(89.77,37.358)
  Bottom Layer w0.254: v1(89.77,37.358) 90.78,36.349 FPC.3
PC9: FPC.9 JP2.11 R1.2 | length 54.3
  Top Layer w0.254: JP2.11 67.076,66.695 67.076,48.748 77.216,38.608 82.169,38.608 v1(86.36,34.417)
  Bottom Layer w0.254: JP2.11 R1.2 ; v1(86.36,34.417) 87.421,33.356 92.431,33.356 FPC.9
PC10: JP2.20 JP6.2 | length 51.3
  Top Layer w0.254: JP2.20 59.69,66.929 59.69,69.469 60.198,69.977 82.423,69.977 89.408,62.992 89.408,52.425 JP6.2
PC11: JP2.21 JP6.3 | length 49
  Top Layer w0.254: JP2.21 55.88,68.072 58.286,70.478 83.7,70.478 91.833,62.345 JP6.3
PC12: JP2.22 UART5.2 | length 95.2
  Top Layer w0.254: UART5.2 10.668,35.56 10.668,72.664 15.228,77.224 47.998,77.224 54.356,70.866 54.356,66.929 JP2.22
PC13: JP2.46
PC14: JP2.47
PC15: JP2.48
PD0: JP2.23
PD1: JP2.24
PD2: JP2.25 UART5.3 | length 90.8
  Top Layer w0.254: UART5.3 12.642,33.724 12.642,72.846 15.742,75.946 46.872,75.946 50.673,72.145 JP2.25
PD3: JP2.26
PD4: JP2.27
PD5: JP2.28
PD6: JP2.29
PD7: JP2.30 U4.17 | length 21.1
  Bottom Layer w0.254: U4.17 31.507,53.696 31.507,54.139 34.898,57.53 34.898,60.694 35.545,61.341 41.402,61.341 JP2.30
PD8: JP1.34
PD9: JP1.35
PD10: JP1.36
PD11: JP1.37
PD12: FPC.13 JP1.38 | length 30.8
  Top Layer w0.254: JP1.38 67.31,33.655 67.31,31.496 69.215,29.591 82.162,29.591 83.927,31.356 v1(88.519,31.356)
  Bottom Layer w0.254: v1(88.519,31.356) 88.523,31.352 92.435,31.352 FPC.13
PD13: FPC.12 JP1.39 | length 25.8
  Top Layer w0.254: JP1.39 71.02,29.945 82.015,29.945 83.932,31.862 v1(89.027,31.862)
  Bottom Layer w0.254: v1(89.027,31.862) 89.041,31.848 90.601,31.848 90.602,31.849 FPC.12
PD14: FPC.11 JP1.40 | length 27.9
  Top Layer w0.254: JP1.40 69.85,33.655 69.85,31.75 71.301,30.299 81.812,30.299 83.826,32.314 89.538,32.314 v1(89.564,32.339)
  Bottom Layer w0.254: v1(89.564,32.339) 89.568,32.344 92.434,32.344 FPC.11
PD15: FPC.10 JP1.41 | length 23.1
  Top Layer w0.254: JP1.41 72.852,30.653 81.665,30.653 83.873,32.861 v1@90.273,32.861
  Bottom Layer w0.254: v1(90.288,32.846) 90.291,32.849 FPC.10
PE0: JP2.39 R4.1 R16.1 U3.19 U4.19 | length 63.3
  Top Layer w0.254: JP2.39 34.163,66.802 34.163,63.246 36.386,61.023 37.402,61.023 39.37,59.055 v1(39.37,58.166) 43.053,58.166 54.356,46.863 54.356,43.688 v1(56.007,42.037)
  Bottom Layer w0.254: U4.19 32.507,53.696 32.507,54.138 35.866,57.497 36.498,57.497 37.264,58.264 38.062,58.264 R16.1 39.107,58.429 v1(39.37,58.166) ; v1(56.007,42.037) 57.404,43.434 59.799,43.434 60.959,42.274 R4.1 ; R4.1 61.652,42.274 64.337,44.958 65.913,44.958 68.077,47.122 68.077,47.65 U3.19
PE1: JP2.40
PE2: JP2.41
PE3: JP2.42
PE4: JP2.43
PE5: JP2.44
PE6: JP2.45
PE7: JP1.19
PE8: JP1.20
PE9: JP1.21
PE10: JP1.22
PE11: JP1.23
PE12: JP1.24
PE13: FPC.15 JP1.25 | length 43.2
  Bottom Layer w0.254: JP1.25 53.538,29.647 88.575,29.647 89.254,30.326 92.415,30.326 FPC.15
PE14: FPC.14 JP1.26 | length 45
  Bottom Layer w0.254: JP1.26 51.858,33.867 51.858,32.344 54.022,30.18 88.473,30.18 89.119,30.826 92.415,30.826 FPC.14
PE15: JP1.27
RST: JP4.2
X1: D9.1 FPC.29 JP3.2 R21.1 | length 129
  Top Layer w0.254: JP3.2@19.34,73.061 14.986,68.707 14.986,47.244 v1(16.51,45.72) 16.51,31.242 24.706,23.046 87.899,23.046 v1(87.935,23.082)
  Bottom Layer w0.254: v1(16.51,45.72) D9.1@16.51,47.752 ; D9.1 D9.1@16.51,47.752 ; R21.1 17.753,46.609 16.61,47.752 D9.1@16.51,47.752 ; v1(87.935,23.082) 87.971,23.046 90.61,23.046 90.932,23.368 92.419,23.368 FPC.29
X2: D14.1 FPC.26 JP3.5 R26.1 | length 118.5
  Top Layer w0.254: JP3.5@26.67,73.355 26.67,72.644 24.13,70.104 24.13,58.928 28.448,54.61 43.561,54.61 45.212,52.959 45.212,51.562 44.323,50.673 v1(44.323,48.006) 43.307,46.99 43.307,39.867 44.323,38.851 44.323,30.734 50.385,24.672 89.437,24.672 v1(89.468,24.703)
  Bottom Layer w0.254: R26.1 41.901,51.533 43.016,50.419 D14.1 44.282,48.047 v1(44.323,48.006) ; v1(89.468,24.703) 89.474,24.697 90.356,24.697 90.508,24.849 FPC.26
X3: D2.1 FPC.23 JP3.8 R9.1 | length 110.3
  Bottom Layer w0.254: JP3.8@34.174,73.036 36.576,75.438 48.006,75.438 51.943,71.501 51.943,65.279 52.77,64.452 62.39,64.452 63.217,63.625 79.377,63.625 81.026,61.976 v1(81.026,52.705) ; R9.1 80.327,53.404 v1(81.026,52.705) ; FPC.23 95.31,26.349 97.536,28.575 97.536,40.64 94.234,43.942 86.868,43.942 84.709,46.101 84.709,49.702 82.838,51.573 82.838,52.63 D2.1 v1(81.026,52.705)
X4: D7.1 FPC.20 JP3.11 R14.1 | length 90
  Top Layer w0.254: JP3.11@41.799,73.009 41.799,72.269 41.783,72.253 41.783,63.246 56.048,48.981 v1(56.048,48.219) 59.436,44.831 59.436,30.099 62.482,27.053 89.983,27.053 v1(90.487,27.557)
  Bottom Layer w0.254: v1(56.048,48.219) D7.1 57.326,50.355 R14.1 ; R14.1@58.244,51.274 R14.1@58.273,51.274 ; v1(90.487,27.557) 90.54,27.557 90.832,27.849 FPC.20
Y1: D10.1 FPC.28 JP3.3 R22.1 | length 128
  Top Layer w0.254: JP3.3@21.741,73.176 16.551,67.986 v1(16.551,50.557) 17.653,49.455 17.653,30.734 24.811,23.576 v1(88.429,23.576)
  Bottom Layer w0.254: v1@16.573,50.535 v1(16.551,50.557) D10.1 16.651,52.705 17.424,51.932 17.424,51.832 17.805,51.451 R22.1 ; v1(88.429,23.576) 90.505,23.576 90.778,23.849 FPC.28
Y2: D11.1 FPC.25 JP3.6 R23.1 | length 114.1
  Top Layer w0.254: JP3.6@29.506,72.94 26.67,70.104 26.67,61.214 30.48,57.404 42.672,57.404 46.228,53.848 46.228,47.652 44.282,45.706 v1(44.282,43.266) 44.32,43.229 44.528,43.229 46.863,40.894 46.863,30.734 52.177,25.42 v1(90.434,25.42)
  Bottom Layer w0.254: R23.1 41.781,47.224 42.903,46.101 44.028,46.101 D11.1 v1(44.282,43.266) ; v1(90.434,25.42) 90.487,25.42 90.559,25.349 FPC.25
Y3: D3.1 FPC.22 JP3.9 R10.1 | length 96.5
  Top Layer w0.254: v1(68.406,62.652) 68.406,61.041 v1(81.314,48.133)
  Bottom Layer w0.254: JP3.9@36.584,73.271 38.6,71.255 44.95,71.255 46.99,69.215 46.99,64.389 47.498,63.881 62.46,63.881 63.689,62.652 v1(68.406,62.652) ; R10.1 80.327,49.12 v1(81.314,48.133) D3.1 82.763,46.396 86.868,42.291 94.332,42.291 96.774,39.849 96.774,28.702 94.921,26.849 FPC.22
Y4: D4.1 FPC.19 JP3.12 R11.1 | length 86.8
  Top Layer w0.254: JP3.12@44.45,72.898 44.45,64.278 v1(56.065,52.663) 62.103,46.625 62.103,31.369 65.843,27.629 89.835,27.629 v1(90.461,28.255)
  Bottom Layer w0.254: v1(56.065,52.663) 56.048,52.68 D4.1 58.011,54.864 58.053,54.822 58.081,54.822 58.391,54.512 58.391,53.626 R11.1 ; v1(90.461,28.255) 90.514,28.255 90.608,28.349 FPC.19
Z1: D13.1 FPC.27 JP3.4 R25.1 | length 123.1
  Top Layer w0.254: JP3.4@24.257,73.566 24.257,72.771 21.336,69.85 21.336,59.182 27.772,52.746 v1(44.282,52.746) 41.783,50.247 41.783,31.242 48.885,24.14 v1(88.936,24.14)
  Bottom Layer w0.254: R25.1 41.874,53.505 41.874,54.131 42.67,54.927 D13.1 v1(44.282,52.746) v1@44.323,52.705 ; v1(88.936,24.14) 90.434,24.14 90.643,24.349 FPC.27
Z2: D12.1 FPC.24 JP3.7 R24.1 | length 128
  Top Layer w0.254: JP3.7 29.845,75.057 24.511,75.057 23.114,73.66 23.114,72.644 18.288,67.818 18.288,55.88 32.385,41.783 v1(35.433,41.783)
  Bottom Layer w0.254: D12.1 37.338,43.715 34.985,41.362 34.312,41.362 R24.1 34.036,31.115 37.211,27.94 86.868,27.94 88.936,25.872 92.415,25.872 FPC.24
Z3: D6.1 FPC.21 JP3.10 R13.1 | length 93
  Top Layer w0.254: JP3.10@39.37,72.878 39.37,62.612 41.548,60.434 41.921,60.434 56.055,46.3 v1(56.055,43.729) 57.023,42.76 57.023,29.718 60.251,26.49 90.073,26.49 90.396,26.812 v1(90.449,26.812)
  Bottom Layer w0.254: v1(56.055,43.729) 56.048,43.735 D6.1 56.155,45.954 57.28,45.954 58.549,47.224 R13.1 ; v1(90.449,26.812) 90.449,26.817 90.981,27.349 FPC.21
Z4: D5.1 FPC.18 JP3.13 R12.1 | length 88.4
  Top Layer w0.254: JP3.13 49.403,70.739 49.403,63.754 55.159,57.998 v1(59.35,57.998) 64.77,52.578 64.77,30.861 67.432,28.199 89.765,28.199 90.395,28.828 v1(90.395,28.87)
  Bottom Layer w0.254: v1@59.309,58.039 v1(59.35,57.998) D5.1 61.722,59.817 62.221,60.316 R12.1 ; v1(90.395,28.87) 90.405,28.859 92.428,28.859 FPC.18
pads on no net: FPC.31 FPC.32 JP1.42 JP1.43 JP1.44 JP1.45 JP1.46 JP1.47 JP1.48 JP1.49 JP2.2 JP2.3 JP2.4 JP2.5 JP2.6 JP2.7 Lora.3 Lora.8 Lora.9 Lora.10 U2.7 U2.8 U2.9 U2.10 U3.6 U3.10 U3.25 U3.34 U3.35 U3.36 U3.37 U3.38 U3.39 U3.40 U4.6 U4.10 U4.25 U4.34 U4.35 U4.36 U4.37 U4.38 U4.39 U4.40
copper on no net:
  other v2: 7,7 93,7 7,93 93,93

## Polygon pours and split planes (outlines as drawn)
AGND on Bottom Layer "NONET_L-01_P-001" (solid, remove dead copper, pour order 0): -7.112,105.791 107.569,105.791 107.569,-3.937 -7.747,-3.937
GND on Top Layer "NONET_L-01_P-001" (solid, remove dead copper, pour order 2): -7.112,105.791 107.569,105.791 107.569,-3.937 -7.747,-3.937
5V on PWR (split plane): 152 vertices, not listed, extent 0.823,0.823 99.05,99.109
no net on PWR (split plane): 0.831,6.933 0.821,6.882 0.831,6.933 0.835,6.997
no net on PWR (split plane): 6.929,0.889 6.899,0.887 6.929,0.889
3.3V on PWR (split plane): 87.501,36.832 15.877,36.832 15.877,64.006 87.501,64.006
no net on PWR (split plane): 93.219,99.079 93.174,99.082
no net on PWR (split plane): 98.991,92.917 99.005,92.845 98.991,92.917 98.987,92.977
no net on GND (split plane): 0.322,6.966 0.312,6.931 0.322,6.966 0.325,6.997
GND on GND (split plane): 181 vertices, not listed, extent 0.312,0.315 99.558,99.617

## Keep-outs
Keep-Out Layer:
  lines w0.254: -0.071,6.997 ccw(c6.929,6.997) 6.929,-0.003 ; -0.051,6.655 -0.051,93.026 cw(c6.848,93.026) 6.848,99.925 93.218,100 ; 6.604,0 92.305,-0.024 ccw(c92.305,7.316) 99.645,7.316 99.602,93.002 ; 92.619,99.977 cw(c92.619,92.977) 99.619,92.977 ; 116.25,124.782 ccw(c50.255,49.651) 123.161,118.096

## Other copper
PWR (plane layer: these items are gaps in the copper):
  lines w0.254: 15.748,36.703 52.578,36.703 87.63,36.703 87.63,64.135 15.748,64.135 15.748,36.703

## Silkscreen, mask and mechanical layers (free items; w line width, h text height)
Top Overlay:
  drawing of 174 lines, arcs and shapes, not listed
  text "DAP无线烧录" at 50.546,93.235 h1.52
  text "5V" at 9.287,86.487 h1.52 r270
  text "电源输入" at 90.551,85.783 h2.03
  text "RX" at 9.271,83.312 h1.52 r270
  text "GND" at 89.265,81.661 h1.52 r90
  text "TX" at 9.271,80.264 h1.52 r270
  text "5V" at 89.265,78.105 h1.52 r90
  text "GND" at 9.287,77.597 h1.52 r270
  text "测试" at 49.403,72.391 h1.52
  text "5V" at 9.301,71.622 h1.52 r270
  text "DIO" at 9.287,68.587 h1.52 r270
  text "CLK" at 9.287,65.761 h1.52 r270
  text "GND" at 9.301,62.732 h1.52 r270
  text "I.MX6ull通信" at 88.743,57.201 h2.03
  text "5V" at 10.557,56.261 h1.52 r270
  text "RX" at 88.908,53.289 h1.52 r90
  text "GND" at 10.557,52.832 h1.52 r270
  text "TX" at 88.908,49.225 h1.52 r90
  text "TX" at 10.541,48.133 h1.52 r270
  text "GND" at 88.892,44.653 h1.52 r90
  text "RX" at 10.541,44.323 h1.52 r270
  text "GND" at 10.523,38.239 h1.52 r270
  text "TX" at 10.507,33.54 h1.52 r270
  text "RX" at 10.541,29.337 h1.52 r270
  text "STM32板" at 13.464,6.804 h3
  text "Designed by PoisonNF" at 11.685,2.853 h1.52
  text "无线数传" at 46.863,2.605 h2.03

## Text inside footprints (layer, text, board x,y; h text height)
Lora: Top Overlay "MD0" at 67.67,6.124 h1.5; Top Overlay "MD1" at 67.67,8.763 h1.5; Top Overlay "RXD" at 67.67,11.303 h1.5; Top Overlay "AUX" at 67.67,16.399 h1.5; Top Overlay "VCC" at 67.671,18.939 h1.5; Top Overlay "GND" at 67.687,21.429 h1.5 r1; Top Overlay "TXD" at 67.67,13.843 h1.5